# KiCad board BareDevRev2.kicad_pcb
title: Acheron Joker48 template layout; date: 2022-02-09; rev: V1.1.0; company: Designed by Gondolindrim
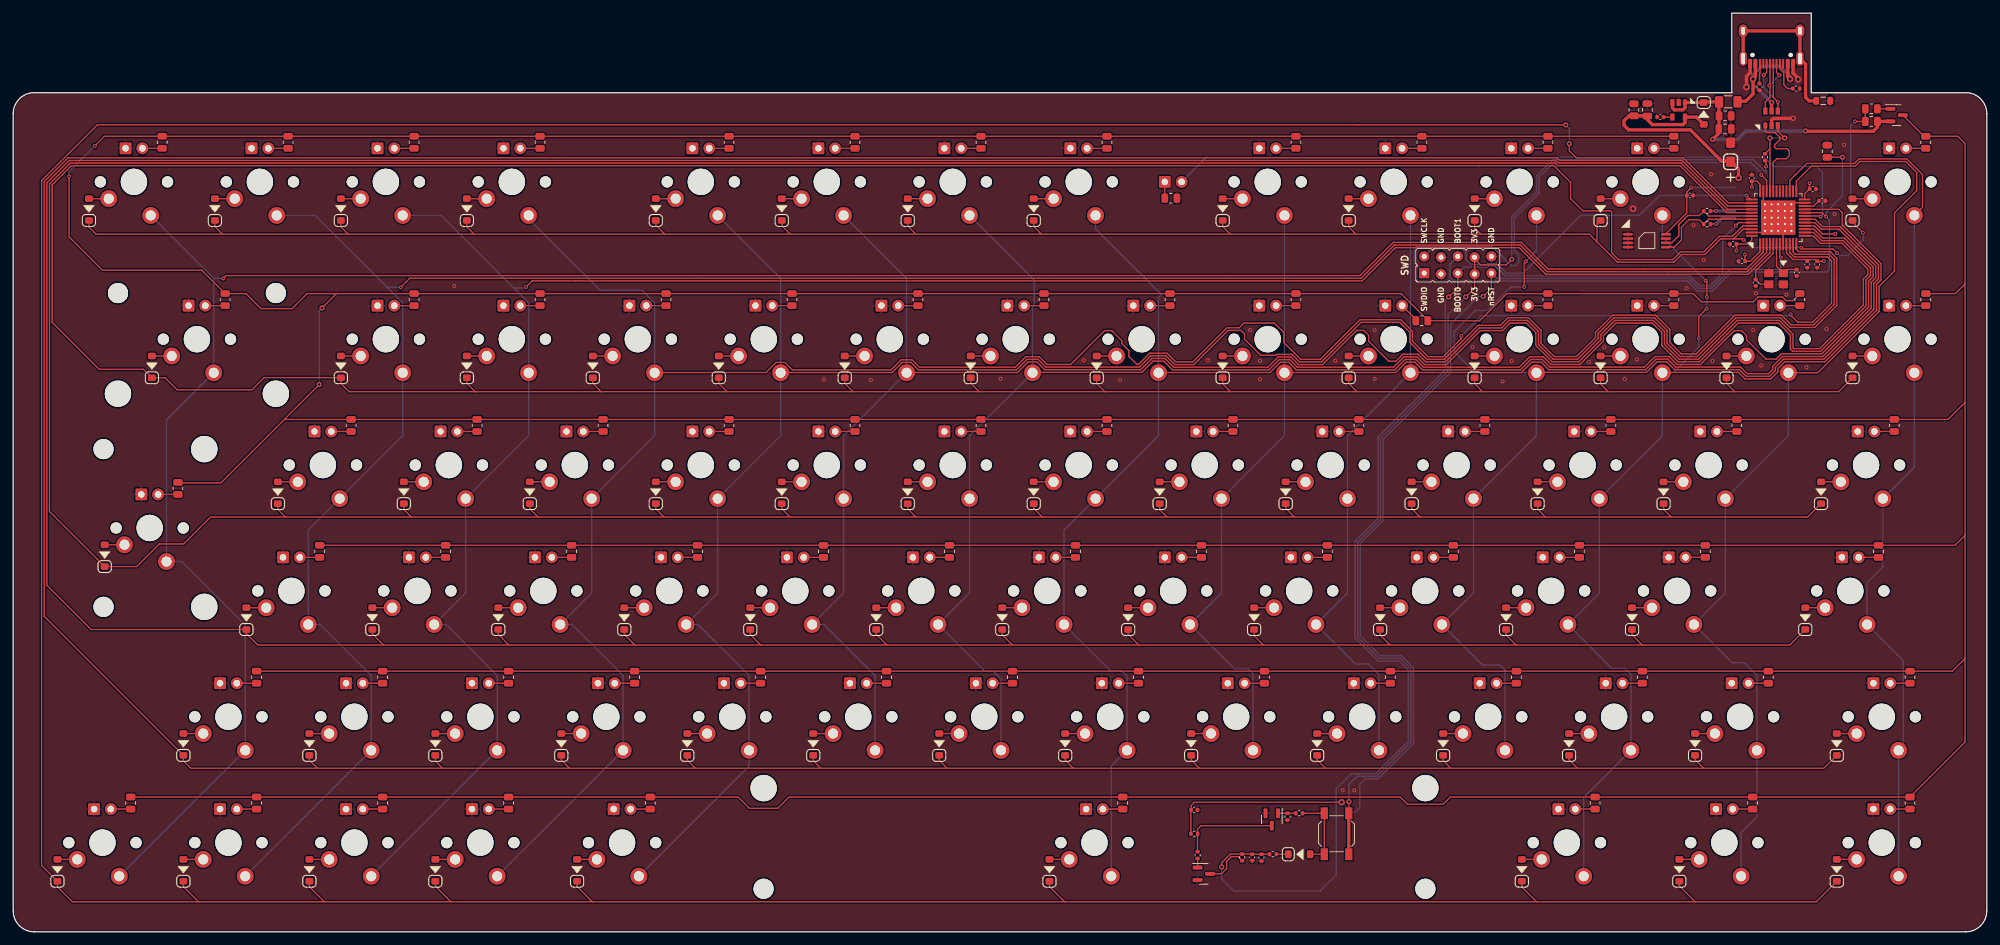
[diagram p0: board, top side]
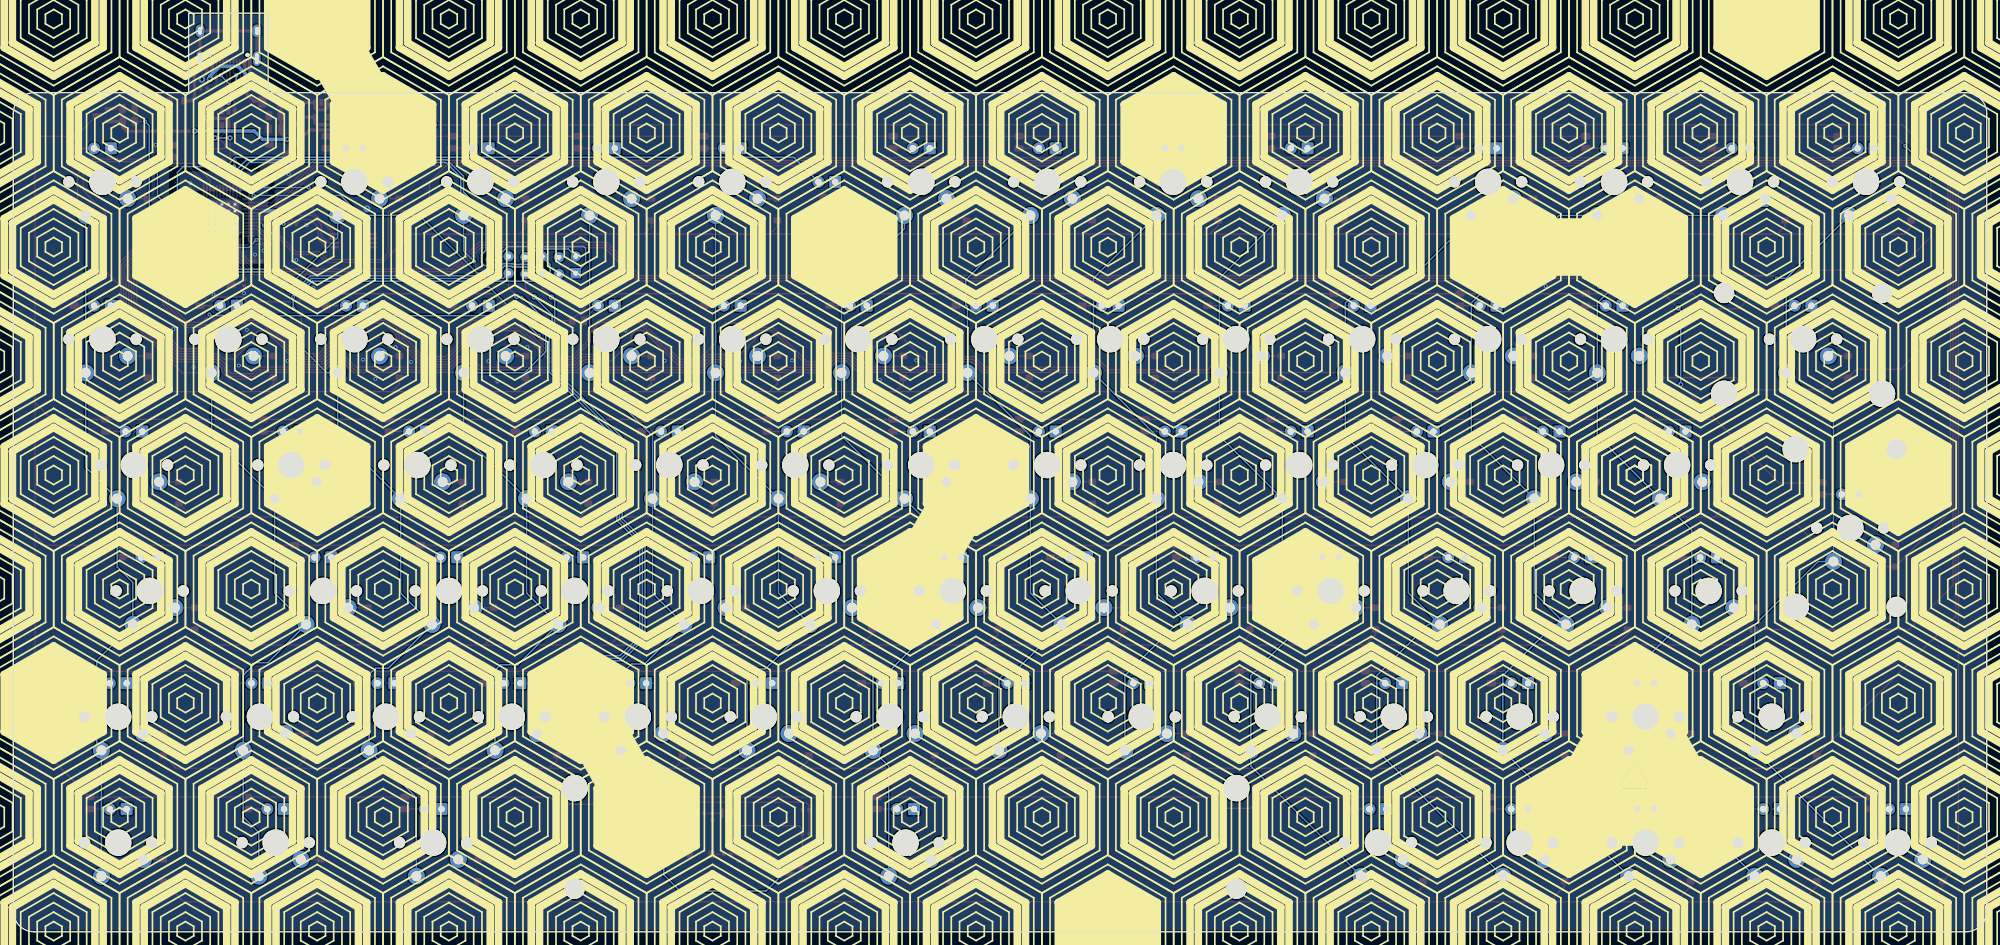
[diagram p1: board, bottom side, seen from below]

Outline 298.45 x 139.03 mm; copper layers: Top, Bottom. Coordinates in mm from the lower left corner of the outline.
Outline path: 0,123.83 0,3.18 arc(0.93,0.93) 3.18,0 295.28,0 arc(297.52,0.93) 298.45,3.18 298.45,123.83 arc(297.52,126.07) 295.28,127 271.91,127 271.91,139.03 259.91,139.03 259.91,127 3.18,127 arc(0.93,126.07) 0,123.83
Stack: Top 0.035mm / dielectric 1.51mm FR4 er 4.5 / Bottom 0.035mm

## Placement (name value [footprint] x y rotation side)
C1  100n  [C_0402_1005Metric]  253.56 111.45 180 top
C2  100n  [C_0402_1005Metric]  261.41 101.5 180 top
C3  100n  [C_0402_1005Metric]  260.11 104.1 180 top
C4  100n  [C_0402_1005Metric]  262.91 114.1 270 top
C5  10u  [CP_EIA-3216-10_Kemet-I_Pad1.58x1.35mm_HandSolder]  259.71 118 90 top
C6  1u  [C_0402_1005Metric]  272.81 101.02 270 top
C7  10n  [C_0402_1005Metric]  271.31 101.02 270 top
C8  16p  [C_0402_1005Metric]  269.71 99.77 270 top
C9  16p  [C_0402_1005Metric]  263.51 98.25 270 top
C10  100n  [C_0402_1005Metric]  272.14 112.45 180 top
C11  4.7u  [C_0402_1005Metric]  273.56 110.65 180 top
C201  1u  [C_0805_2012Metric]  258.87 121.52 0 top
C202  1u  [C_0805_2012Metric]  247.12 124.42 90 top
C203  10n  [C_0402_1005Metric]  249.09 123.32 0 top
C301  10u  [C_0402_1005Metric]  187.37 11.26 270 top
C302  100n  [C_0402_1005Metric]  178.6 18.44 0 top
D201  B5819W-SL  [D_SOD-123]  255.64 123.87 270 top
D301  1N4148W  [D_SOD-123]  194.47 11.74 0 top
D_101  D  [D_SOD-123]  278.15 109.32 90 top
D_102  D  [D_SOD-123]  240.05 109.32 90 top
D_103  D  [D_SOD-123]  221 109.32 90 top
D_104  D  [D_SOD-123]  201.95 109.32 90 top
D_105  D  [D_SOD-123]  182.9 109.32 90 top
D_106  D  [D_SOD-123]  154.32 109.32 90 top
D_107  D  [D_SOD-123]  135.27 109.32 90 top
D_108  D  [D_SOD-123]  116.22 109.32 90 top
D_109  D  [D_SOD-123]  97.17 109.32 90 top
D_110  D  [D_SOD-123]  68.6 109.32 90 top
D_111  D  [D_SOD-123]  49.55 109.32 90 top
D_112  D  [D_SOD-123]  30.5 109.32 90 top
D_113  D  [D_SOD-123]  11.45 109.32 90 top
D_114  D  [D_SOD-123]  278.15 85.5 90 top
D_115  D  [D_SOD-123]  259.1 85.5 90 top
D_116  D  [D_SOD-123]  240.05 85.5 90 top
D_117  D  [D_SOD-123]  221 85.5 90 top
D_118  D  [D_SOD-123]  201.95 85.5 90 top
D_119  D  [D_SOD-123]  182.9 85.5 90 top
D_120  D  [D_SOD-123]  163.85 85.5 90 top
D_121  D  [D_SOD-123]  144.8 85.5 90 top
D_122  D  [D_SOD-123]  125.75 85.5 90 top
D_123  D  [D_SOD-123]  106.7 85.5 90 top
D_124  D  [D_SOD-123]  87.65 85.5 90 top
D_125  D  [D_SOD-123]  68.6 85.5 90 top
D_126  D  [D_SOD-123]  49.55 85.5 90 top
D_127  D  [D_SOD-123]  20.97 85.5 90 top
D_128  D  [D_SOD-123]  273.38 66.45 90 top
D_129  D  [D_SOD-123]  249.57 66.45 90 top
D_130  D  [D_SOD-123]  230.52 66.45 90 top
D_131  D  [D_SOD-123]  211.47 66.45 90 top
D_132  D  [D_SOD-123]  192.42 66.45 90 top
D_133  D  [D_SOD-123]  173.37 66.45 90 top
D_134  D  [D_SOD-123]  154.32 66.45 90 top
D_135  D  [D_SOD-123]  135.27 66.45 90 top
D_136  D  [D_SOD-123]  116.22 66.45 90 top
D_137  D  [D_SOD-123]  97.17 66.45 90 top
D_138  D  [D_SOD-123]  78.12 66.45 90 top
D_139  D  [D_SOD-123]  59.07 66.45 90 top
D_140  D  [D_SOD-123]  40.02 66.45 90 top
D_141  D  [D_SOD-123]  13.83 56.93 90 top
D_142  D  [D_SOD-123]  271 47.4 90 top
D_143  D  [D_SOD-123]  244.81 47.4 90 top
D_144  D  [D_SOD-123]  225.76 47.4 90 top
D_145  D  [D_SOD-123]  206.71 47.4 90 top
D_146  D  [D_SOD-123]  187.66 47.4 90 top
D_147  D  [D_SOD-123]  168.61 47.4 90 top
D_148  D  [D_SOD-123]  149.56 47.4 90 top
D_149  D  [D_SOD-123]  130.51 47.4 90 top
D_150  D  [D_SOD-123]  111.46 47.4 90 top
D_151  D  [D_SOD-123]  92.41 47.4 90 top
D_152  D  [D_SOD-123]  73.36 47.4 90 top
D_153  D  [D_SOD-123]  54.31 47.4 90 top
D_154  D  [D_SOD-123]  35.26 47.4 90 top
D_155  D  [D_SOD-123]  275.76 28.35 90 top
D_156  D  [D_SOD-123]  254.33 28.35 90 top
D_157  D  [D_SOD-123]  235.28 28.35 90 top
D_158  D  [D_SOD-123]  216.23 28.35 90 top
D_159  D  [D_SOD-123]  197.18 28.35 90 top
D_160  D  [D_SOD-123]  178.13 28.35 90 top
D_161  D  [D_SOD-123]  159.08 28.35 90 top
D_162  D  [D_SOD-123]  140.03 28.35 90 top
D_163  D  [D_SOD-123]  120.98 28.35 90 top
D_164  D  [D_SOD-123]  101.93 28.35 90 top
D_165  D  [D_SOD-123]  82.88 28.35 90 top
D_166  D  [D_SOD-123]  63.83 28.35 90 top
D_167  D  [D_SOD-123]  44.78 28.35 90 top
D_168  D  [D_SOD-123]  25.73 28.35 90 top
D_169  D  [D_SOD-123]  275.76 9.3 90 top
D_170  D  [D_SOD-123]  251.95 9.3 90 top
D_171  D  [D_SOD-123]  228.14 9.3 90 top
D_172  D  [D_SOD-123]  156.7 9.3 90 top
D_173  D  [D_SOD-123]  85.26 9.3 90 top
D_174  D  [D_SOD-123]  63.83 9.3 90 top
D_175  D  [D_SOD-123]  44.78 9.3 90 top
D_176  D  [D_SOD-123]  25.73 9.3 90 top
D_177  D  [D_SOD-123]  6.68 9.3 90 top
F201  nSMD100-16V  [Fuse_1206_3216Metric]  259.36 125.62 0 top
FB401  GZ2012D601TF  [L_0805_2012Metric]  273.71 125.77 180 top
J401  TYPE-C-31-M12  [USB_C_Receptacle_Hroparts_TYPE-C-31-M-12]  265.91 130.66 180 top
K_101  Mechanical_Switch  [MX100]  284.96 113.51 180 top
K_102  Mechanical_Switch  [MX100]  246.86 113.51 180 top
K_103  Mechanical_Switch  [MX100]  227.81 113.51 180 top
K_104  Mechanical_Switch  [MX100]  208.76 113.51 180 top
K_105  Mechanical_Switch  [MX100]  189.71 113.51 180 top
K_106  Mechanical_Switch  [MX100]  161.13 113.51 180 top
K_107  Mechanical_Switch  [MX100]  142.08 113.51 180 top
K_108  Mechanical_Switch  [MX100]  123.03 113.51 180 top
K_109  Mechanical_Switch  [MX100]  103.98 113.51 180 top
K_110  Mechanical_Switch  [MX100]  75.41 113.51 180 top
K_111  Mechanical_Switch  [MX100]  56.36 113.51 180 top
K_112  Mechanical_Switch  [MX100]  37.31 113.51 180 top
K_113  Mechanical_Switch  [MX100]  18.26 113.51 180 top
K_114  Mechanical_Switch  [MX100]  284.96 89.69 180 top
K_115  Mechanical_Switch  [MX100]  265.91 89.69 180 top
K_116  Mechanical_Switch  [MX100]  246.86 89.69 180 top
K_117  Mechanical_Switch  [MX100]  227.81 89.69 180 top
K_118  Mechanical_Switch  [MX100]  208.76 89.69 180 top
K_119  Mechanical_Switch  [MX100]  189.71 89.69 180 top
K_120  Mechanical_Switch  [MX100]  170.66 89.69 180 top
K_121  Mechanical_Switch  [MX100]  151.61 89.69 180 top
K_122  Mechanical_Switch  [MX100]  132.56 89.69 180 top
K_123  Mechanical_Switch  [MX100]  113.51 89.69 180 top
K_124  Mechanical_Switch  [MX100]  94.46 89.69 180 top
K_125  Mechanical_Switch  [MX100]  75.41 89.69 180 top
K_126  Mechanical_Switch  [MX100]  56.36 89.69 180 top
K_127  Mechanical_Switch  [MX200R]  27.78 89.69 180 top
K_128  Mechanical_Switch  [MX150]  280.19 70.64 180 top
K_129  Mechanical_Switch  [MX100]  256.38 70.64 180 top
K_130  Mechanical_Switch  [MX100]  237.33 70.64 180 top
K_131  Mechanical_Switch  [MX100]  218.28 70.64 180 top
K_132  Mechanical_Switch  [MX100]  199.23 70.64 180 top
K_133  Mechanical_Switch  [MX100]  180.18 70.64 180 top
K_134  Mechanical_Switch  [MX100]  161.13 70.64 180 top
K_135  Mechanical_Switch  [MX100]  142.08 70.64 180 top
K_136  Mechanical_Switch  [MX100]  123.03 70.64 180 top
K_137  Mechanical_Switch  [MX100]  103.98 70.64 180 top
K_138  Mechanical_Switch  [MX100]  84.93 70.64 180 top
K_139  Mechanical_Switch  [MX100]  65.88 70.64 180 top
K_140  Mechanical_Switch  [MX100]  46.83 70.64 180 top
K_141  Mechanical_Switch  [MX_ISOEnter]  20.64 61.12 180 top
K_142  Mechanical_Switch  [MX175]  277.81 51.59 180 top
K_143  Mechanical_Switch  [MX100]  251.62 51.59 180 top
K_144  Mechanical_Switch  [MX100]  232.57 51.59 180 top
K_145  Mechanical_Switch  [MX100]  213.52 51.59 180 top
K_146  Mechanical_Switch  [MX100]  194.47 51.59 180 top
K_147  Mechanical_Switch  [MX100]  175.42 51.59 180 top
K_148  Mechanical_Switch  [MX100]  156.37 51.59 180 top
K_149  Mechanical_Switch  [MX100]  137.32 51.59 180 top
K_150  Mechanical_Switch  [MX100]  118.27 51.59 180 top
K_151  Mechanical_Switch  [MX100]  99.22 51.59 180 top
K_152  Mechanical_Switch  [MX100]  80.17 51.59 180 top
K_153  Mechanical_Switch  [MX100]  61.12 51.59 180 top
K_154  Mechanical_Switch  [MX100]  42.07 51.59 180 top
K_155  Mechanical_Switch  [MX125]  282.57 32.54 180 top
K_156  Mechanical_Switch  [MX100]  261.14 32.54 180 top
K_157  Mechanical_Switch  [MX100]  242.09 32.54 180 top
K_158  Mechanical_Switch  [MX100]  223.04 32.54 180 top
K_159  Mechanical_Switch  [MX100]  203.99 32.54 180 top
K_160  Mechanical_Switch  [MX100]  184.94 32.54 180 top
K_161  Mechanical_Switch  [MX100]  165.89 32.54 180 top
K_162  Mechanical_Switch  [MX100]  146.84 32.54 180 top
K_163  Mechanical_Switch  [MX100]  127.79 32.54 180 top
K_164  Mechanical_Switch  [MX100]  108.74 32.54 180 top
K_165  Mechanical_Switch  [MX100]  89.69 32.54 180 top
K_166  Mechanical_Switch  [MX100]  70.64 32.54 180 top
K_167  Mechanical_Switch  [MX100]  51.59 32.54 180 top
K_168  Mechanical_Switch  [MX100]  32.54 32.54 180 top
K_169  Mechanical_Switch  [MX125]  282.57 13.49 180 top
K_170  Mechanical_Switch  [MX125]  258.76 13.49 180 top
K_171  Mechanical_Switch  [MX125]  234.95 13.49 180 top
K_172  Mechanical_Switch  [MX625]  163.51 13.49 180 top
K_173  Mechanical_Switch  [MX125]  92.07 13.49 180 top
K_174  Mechanical_Switch  [MX100]  70.64 13.49 180 top
K_175  Mechanical_Switch  [MX100]  51.59 13.49 180 top
K_176  Mechanical_Switch  [MX100]  32.54 13.49 180 top
K_177  Mechanical_Switch  [MX100]  13.49 13.49 180 top
LED1  LED  [LED_THT_2.54mm]  175.42 113.51 180 top
LED101  LED  [LED_THT_2.54mm]  284.96 118.59 180 top
LED102  LED  [LED_THT_2.54mm]  246.86 118.59 180 top
LED103  LED  [LED_THT_2.54mm]  227.81 118.59 180 top
LED104  LED  [LED_THT_2.54mm]  208.76 118.59 180 top
LED105  LED  [LED_THT_2.54mm]  189.71 118.59 180 top
LED106  LED  [LED_THT_2.54mm]  161.13 118.59 180 top
LED107  LED  [LED_THT_2.54mm]  142.08 118.59 180 top
LED108  LED  [LED_THT_2.54mm]  123.03 118.59 180 top
LED109  LED  [LED_THT_2.54mm]  103.98 118.59 180 top
LED110  LED  [LED_THT_2.54mm]  75.41 118.59 180 top
LED111  LED  [LED_THT_2.54mm]  56.36 118.59 180 top
LED112  LED  [LED_THT_2.54mm]  37.31 118.59 180 top
LED113  LED  [LED_THT_2.54mm]  18.26 118.59 180 top
LED114  LED  [LED_THT_2.54mm]  284.96 94.77 180 top
LED115  LED  [LED_THT_2.54mm]  265.91 94.77 180 top
LED116  LED  [LED_THT_2.54mm]  246.86 94.77 180 top
LED117  LED  [LED_THT_2.54mm]  227.81 94.77 180 top
LED118  LED  [LED_THT_2.54mm]  208.76 94.77 180 top
LED119  LED  [LED_THT_2.54mm]  189.71 94.77 180 top
LED120  LED  [LED_THT_2.54mm]  170.66 94.77 180 top
LED121  LED  [LED_THT_2.54mm]  151.61 94.77 180 top
LED122  LED  [LED_THT_2.54mm]  132.56 94.77 180 top
LED123  LED  [LED_THT_2.54mm]  113.51 94.77 180 top
LED124  LED  [LED_THT_2.54mm]  94.46 94.77 180 top
LED125  LED  [LED_THT_2.54mm]  75.41 94.77 180 top
LED126  LED  [LED_THT_2.54mm]  56.36 94.77 180 top
LED127  LED  [LED_THT_2.54mm]  27.78 94.77 180 top
LED128  LED  [LED_THT_2.54mm]  280.19 75.72 180 top
LED129  LED  [LED_THT_2.54mm]  256.38 75.72 180 top
LED130  LED  [LED_THT_2.54mm]  237.33 75.72 180 top
LED131  LED  [LED_THT_2.54mm]  218.28 75.72 180 top
LED132  LED  [LED_THT_2.54mm]  199.23 75.72 180 top
LED133  LED  [LED_THT_2.54mm]  180.18 75.72 180 top
LED134  LED  [LED_THT_2.54mm]  161.13 75.72 180 top
LED135  LED  [LED_THT_2.54mm]  142.08 75.72 180 top
LED136  LED  [LED_THT_2.54mm]  123.03 75.72 180 top
LED137  LED  [LED_THT_2.54mm]  103.98 75.72 180 top
LED138  LED  [LED_THT_2.54mm]  84.93 75.72 180 top
LED139  LED  [LED_THT_2.54mm]  65.88 75.72 180 top
LED140  LED  [LED_THT_2.54mm]  46.83 75.72 180 top
LED141  LED  [LED_THT_2.54mm]  20.64 66.2 180 top
LED142  LED  [LED_THT_2.54mm]  277.81 56.67 180 top
LED143  LED  [LED_THT_2.54mm]  251.62 56.67 180 top
LED144  LED  [LED_THT_2.54mm]  232.57 56.67 180 top
LED145  LED  [LED_THT_2.54mm]  213.52 56.67 180 top
LED146  LED  [LED_THT_2.54mm]  194.47 56.67 180 top
LED147  LED  [LED_THT_2.54mm]  175.42 56.67 180 top
LED148  LED  [LED_THT_2.54mm]  156.37 56.67 180 top
LED149  LED  [LED_THT_2.54mm]  137.32 56.67 180 top
LED150  LED  [LED_THT_2.54mm]  118.27 56.67 180 top
LED151  LED  [LED_THT_2.54mm]  99.22 56.67 180 top
LED152  LED  [LED_THT_2.54mm]  80.17 56.67 180 top
LED153  LED  [LED_THT_2.54mm]  61.12 56.67 180 top
LED154  LED  [LED_THT_2.54mm]  42.07 56.67 180 top
LED155  LED  [LED_THT_2.54mm]  282.57 37.62 180 top
LED156  LED  [LED_THT_2.54mm]  261.14 37.62 180 top
LED157  LED  [LED_THT_2.54mm]  242.09 37.62 180 top
LED158  LED  [LED_THT_2.54mm]  223.04 37.62 180 top
LED159  LED  [LED_THT_2.54mm]  203.99 37.62 180 top
LED160  LED  [LED_THT_2.54mm]  184.94 37.62 180 top
LED161  LED  [LED_THT_2.54mm]  165.89 37.62 180 top
LED162  LED  [LED_THT_2.54mm]  146.84 37.62 180 top
LED163  LED  [LED_THT_2.54mm]  127.79 37.62 180 top
LED164  LED  [LED_THT_2.54mm]  108.74 37.62 180 top
LED165  LED  [LED_THT_2.54mm]  89.69 37.62 180 top
LED166  LED  [LED_THT_2.54mm]  70.64 37.62 180 top
LED167  LED  [LED_THT_2.54mm]  51.59 37.62 180 top
LED168  LED  [LED_THT_2.54mm]  32.54 37.62 180 top
LED169  LED  [LED_THT_2.54mm]  282.57 18.57 180 top
LED170  LED  [LED_THT_2.54mm]  258.76 18.57 180 top
LED171  LED  [LED_THT_2.54mm]  234.95 18.57 180 top
LED172  LED  [LED_THT_2.54mm]  163.51 18.57 180 top
LED173  LED  [LED_THT_2.54mm]  92.07 18.57 180 top
LED174  LED  [LED_THT_2.54mm]  70.64 18.57 180 top
LED175  LED  [LED_THT_2.54mm]  51.59 18.57 180 top
LED176  LED  [LED_THT_2.54mm]  32.54 18.57 180 top
LED177  LED  [LED_THT_2.54mm]  13.49 18.57 180 top
Q1  AO3401A  [SOT-23]  284.82 123.61 0 top
Q301  2N7002  [SOT-23]  180.04 8.77 0 top
Q302  2N7002  [SOT-23]  190.32 17 270 top
R1  4.7k  [R_0402_1005Metric]  256.16 107.1 180 top
R2  4.7k  [R_0402_1005Metric]  256.16 109.1 180 top
R4  1.5k  [R_0402_1005Metric]  264.91 117.25 90 top
R5  100  [R_0805_2012Metric]  281 124.56 180 top
R6  10k  [R_0805_2012Metric]  281 122.66 0 top
R7  470  [R_0805_2012Metric]  175.06 111.04 0 top
R101  2k  [R_0805_2012Metric]  289.23 119.5 270 top
R102  2k  [R_0805_2012Metric]  251.13 119.5 270 top
R103  2k  [R_0805_2012Metric]  232.08 119.5 270 top
R104  2k  [R_0805_2012Metric]  213.03 119.5 270 top
R105  2k  [R_0805_2012Metric]  193.98 119.5 270 top
R106  2k  [R_0805_2012Metric]  165.4 119.5 270 top
R107  2k  [R_0805_2012Metric]  146.35 119.5 270 top
R108  2k  [R_0805_2012Metric]  127.3 119.5 270 top
R109  2k  [R_0805_2012Metric]  108.25 119.5 270 top
R110  2k  [R_0805_2012Metric]  79.68 119.5 270 top
R111  2k  [R_0805_2012Metric]  60.63 119.5 270 top
R112  2k  [R_0805_2012Metric]  41.58 119.5 270 top
R113  2k  [R_0805_2012Metric]  22.53 119.5 270 top
R114  2k  [R_0805_2012Metric]  289.23 95.69 270 top
R115  2k  [R_0805_2012Metric]  270.18 95.69 270 top
R116  2k  [R_0805_2012Metric]  251.13 95.69 270 top
R117  2k  [R_0805_2012Metric]  232.08 95.69 270 top
R118  2k  [R_0805_2012Metric]  213.01 92.48 180 top
R119  2k  [R_0805_2012Metric]  193.98 95.69 270 top
R120  2k  [R_0805_2012Metric]  174.93 95.69 270 top
R121  2k  [R_0805_2012Metric]  155.88 95.69 270 top
R122  2k  [R_0805_2012Metric]  136.83 95.69 270 top
R123  2k  [R_0805_2012Metric]  117.78 95.69 270 top
R124  2k  [R_0805_2012Metric]  98.73 95.69 270 top
R125  2k  [R_0805_2012Metric]  79.68 95.69 270 top
R126  2k  [R_0805_2012Metric]  60.63 95.69 270 top
R127  2k  [R_0805_2012Metric]  32.05 95.69 270 top
R128  2k  [R_0805_2012Metric]  284.46 76.64 270 top
R129  2k  [R_0805_2012Metric]  260.65 76.64 270 top
R130  2k  [R_0805_2012Metric]  241.6 76.64 270 top
R131  2k  [R_0805_2012Metric]  222.55 76.64 270 top
R132  2k  [R_0805_2012Metric]  203.5 76.64 270 top
R133  2k  [R_0805_2012Metric]  184.45 76.64 270 top
R134  2k  [R_0805_2012Metric]  165.4 76.64 270 top
R135  2k  [R_0805_2012Metric]  146.35 76.64 270 top
R136  2k  [R_0805_2012Metric]  127.3 76.64 270 top
R137  2k  [R_0805_2012Metric]  108.25 76.64 270 top
R138  2k  [R_0805_2012Metric]  89.2 76.64 270 top
R139  2k  [R_0805_2012Metric]  70.15 76.64 270 top
R140  2k  [R_0805_2012Metric]  51.1 76.64 270 top
R141  2k  [R_0805_2012Metric]  24.91 67.11 270 top
R142  2k  [R_0805_2012Metric]  282.08 57.59 270 top
R143  2k  [R_0805_2012Metric]  255.89 57.59 270 top
R144  2k  [R_0805_2012Metric]  236.84 57.59 270 top
R145  2k  [R_0805_2012Metric]  217.79 57.59 270 top
R146  2k  [R_0805_2012Metric]  198.74 57.59 270 top
R147  2k  [R_0805_2012Metric]  179.69 57.59 270 top
R148  2k  [R_0805_2012Metric]  160.64 57.59 270 top
R149  2k  [R_0805_2012Metric]  141.59 57.59 270 top
R150  2k  [R_0805_2012Metric]  122.54 57.59 270 top
R151  2k  [R_0805_2012Metric]  103.49 57.59 270 top
R152  2k  [R_0805_2012Metric]  84.44 57.59 270 top
R153  2k  [R_0805_2012Metric]  65.39 57.59 270 top
R154  2k  [R_0805_2012Metric]  46.34 57.59 270 top
R155  2k  [R_0805_2012Metric]  286.85 38.54 270 top
R156  2k  [R_0805_2012Metric]  265.41 38.54 270 top
R157  2k  [R_0805_2012Metric]  246.36 38.54 270 top
R158  2k  [R_0805_2012Metric]  227.31 38.54 270 top
R159  2k  [R_0805_2012Metric]  208.26 38.54 270 top
R160  2k  [R_0805_2012Metric]  189.21 38.54 270 top
R161  2k  [R_0805_2012Metric]  170.16 38.54 270 top
R162  2k  [R_0805_2012Metric]  151.11 38.54 270 top
R163  2k  [R_0805_2012Metric]  132.06 38.54 270 top
R164  2k  [R_0805_2012Metric]  113.01 38.54 270 top
R165  2k  [R_0805_2012Metric]  93.96 38.54 270 top
R166  2k  [R_0805_2012Metric]  74.91 38.54 270 top
R167  2k  [R_0805_2012Metric]  55.86 38.54 270 top
R168  2k  [R_0805_2012Metric]  36.81 38.54 270 top
R169  2k  [R_0805_2012Metric]  286.85 19.49 270 top
R170  2k  [R_0805_2012Metric]  263.03 19.49 270 top
R171  2k  [R_0805_2012Metric]  239.22 19.49 270 top
R172  2k  [R_0805_2012Metric]  167.78 19.49 270 top
R173  2k  [R_0805_2012Metric]  96.34 19.49 270 top
R174  2k  [R_0805_2012Metric]  74.91 19.49 270 top
R175  2k  [R_0805_2012Metric]  55.86 19.49 270 top
R176  2k  [R_0805_2012Metric]  36.81 19.49 270 top
R177  2k  [R_0805_2012Metric]  17.76 19.49 270 top
R201  100k  [R_0805_2012Metric]  258.87 123.5 0 top
R202  100k  [R_0805_2012Metric]  245.09 124.42 90 top
R301  330k  [R_0402_1005Metric]  190.5 11.74 0 top
R302  1M  [R_0402_1005Metric]  188.77 11.23 270 top
R303  10k  [R_0402_1005Metric]  185.86 11.26 90 top
R304  100R  [R_0402_1005Metric]  179.11 11.6 270 top
R305  100R  [R_0402_1005Metric]  178.6 14.84 180 top
R306  100R  [R_0402_1005Metric]  194.47 17.94 0 top
R307  10k  [R_0402_1005Metric]  192.71 17.43 90 top
R308  10k  [R_0805_2012Metric]  274.32 118.14 90 top
R401  5.1k  [R_0402_1005Metric]  269.63 127.63 180 top
R402  5.1k  [R_0402_1005Metric]  264.08 127.87 270 top
SW301  -  [K2-1187SQ-A4SW-06]  200.12 14.84 270 top
U1  BL24C256A-SFRC  [TSSOP-8_4.4x3mm_P0.65mm]  247.05 104.6 0 top
U2  JOKER MCU  [STM_UFQFPN-48_LQFP-48-1EP_7x7mm_P0.5mm_HandSoldering_ThermalReliefs]  266.91 108.1 90 top
U3  USBLC6-2SC6  [SOT-23-6]  265.91 123.12 90 top
U201  SGM2007-3.3XN5/TR  [SOT-23-5]  251.86 124.42 270 top
X1  ARM JTAG  [PinHeader_2x5_P2.54mm_Vertical_Staggered]  218.46 100.89 90 top
Y1  7325-0800A2010-00  [Crystal_SMD_3225-4Pin_3.2x2.5mm]  266.59 98.85 180 top
